# Altium PCB A8_multiple.PcbDoc (part 5 of 10) (continued)
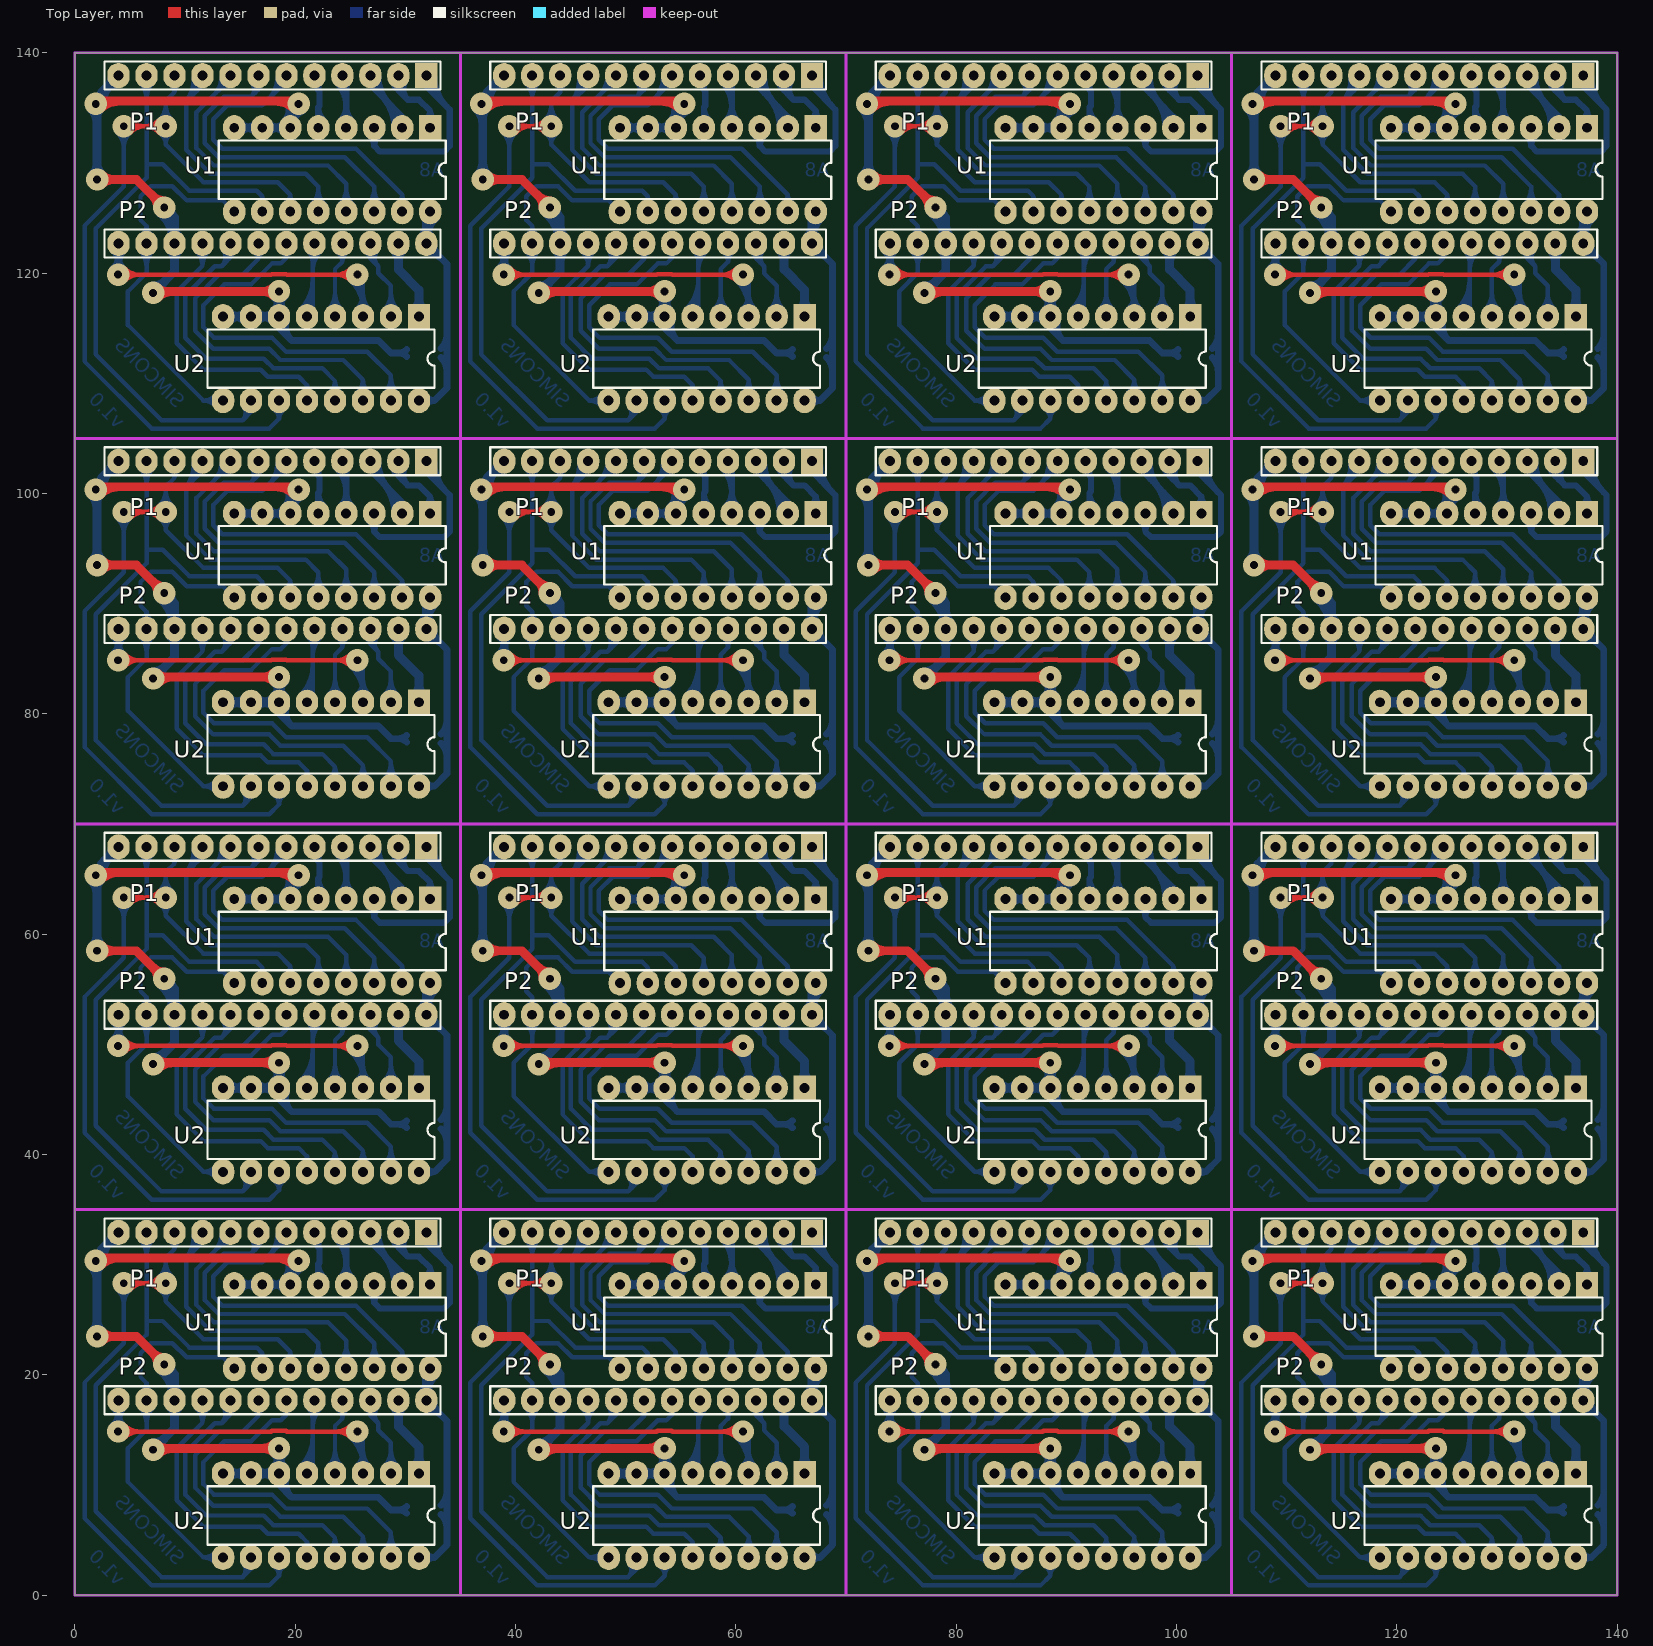
[diagram p0: Top Layer view]
## Nets (pads, with @x,y where several pads share a name; then routed paths per layer and width w, separated by ;. In a path a pad name is that pad's centre, name@x,y a point inside that pad or via, vN(x,y) a via of type N, cw(c..) or ccw(c..) an arc to the next point about the centre after c; other vN are vias at no path point) (continued)
; 88.503,63.115 ccw(c88.326,63.778) 88.92,63.435 ; 88.503,63.273 cw(c88.326,62.61) 88.92,62.953 ; 88.503,98.115 ccw(c88.326,98.778) 88.92,98.435 ; 88.503,98.273 cw(c88.326,97.61) 88.92,97.953 ; 88.503,133.115 ccw(c88.326,133.778) 88.92,133.435 ; 88.503,133.273 cw(c88.326,132.609) 88.92,132.953 ; 89.037,27.673 ccw(c87.78,26.416) 87.78,28.194 ccw(c87.78,29.972) 89.037,28.715 ; 89.037,62.673 ccw(c87.78,61.416) 87.78,63.194 ccw(c87.78,64.972) 89.037,63.715 ; 89.037,97.673 ccw(c87.78,96.416) 87.78,98.194 ccw(c87.78,99.972) 89.037,98.715 ; 89.037,132.673 ccw(c87.78,131.416) 87.78,133.194 ccw(c87.78,134.972) 89.037,133.715 ; 91.688,32.07 cw(c91.647,31.621) 92.098,31.621 ; 91.688,67.07 cw(c91.647,66.621) 92.098,66.621 ; 91.688,102.07 cw(c91.647,101.621) 92.098,101.621 ; 91.688,137.07 cw(c91.647,136.621) 92.098,136.621 ; 92.098,28.194 92.098,30.05 ; 92.098,32.588 92.098,31.672 92.225,31.545 92.225,30.177 92.098,30.05 ; 92.098,63.194 92.098,65.05 ; 92.098,67.588 92.098,66.672 92.225,66.545 92.225,65.177 92.098,65.05 ; 92.098,98.194 92.098,100.05 ; 92.098,102.588 92.098,101.672 92.225,101.545 92.225,100.177 92.098,100.05 ; 92.098,133.194 92.098,135.05 ; 92.098,137.588 92.098,136.672 92.225,136.545 92.225,135.177 92.098,135.05 ; 92.608,28.852 cw(c93.759,30.05) 92.098,30.05 ; 92.608,63.852 cw(c93.759,65.05) 92.098,65.05 ; 92.608,98.852 cw(c93.759,100.05) 92.098,100.05 ; 92.608,133.852 cw(c93.759,135.05) 92.098,135.05 ; 93.774,32.283 cw(c91.689,30.198) 94.638,30.198 ; 93.774,67.283 cw(c91.689,65.198) 94.638,65.198 ; 93.774,102.283 cw(c91.689,100.198) 94.638,100.198 ; 93.774,137.283 cw(c91.689,135.198) 94.638,135.198 ; 94.117,28.842 ccw(c92.86,30.099) 94.638,30.099 ccw(c96.416,30.099) 95.159,28.842 ; 94.117,63.842 ccw(c92.86,65.099) 94.638,65.099 ccw(c96.416,65.099) 95.159,63.842 ; 94.117,98.842 ccw(c92.86,100.099) 94.638,100.099 ccw(c96.416,100.099) 95.159,98.842 ; 94.117,133.842 ccw(c92.86,135.099) 94.638,135.099 ccw(c96.416,135.099) 95.159,133.842 ; 94.169,32.678 cw(c93.038,31.547) 94.638,31.547 ; 94.169,67.678 cw(c93.038,66.547) 94.638,66.547 ; 94.169,102.678 cw(c93.038,101.547) 94.638,101.547 ; 94.169,137.678 cw(c93.038,136.547) 94.638,136.547 ; 94.638,28.194 94.638,32.588 ; 94.638,63.194 94.638,67.588 ; 94.638,98.194 94.638,102.588 ; 94.638,133.194 94.638,137.588 ; 96.72,27.49 cw(c95.97,26.543) 97.178,26.543 ; 96.72,62.49 cw(c95.97,61.543) 97.178,61.543 ; 96.72,97.49 cw(c95.97,96.543) 97.178,96.543 ; 96.72,132.49 cw(c95.97,131.543) 97.178,131.543 ; 96.835,32.931 96.835,32.093 99.718,29.21 99.718,28.194 ; 96.835,67.931 96.835,67.093 99.718,64.21 99.718,63.194 ; 96.835,102.931 96.835,102.093 99.718,99.21 99.718,98.194 ; 96.835,137.931 96.835,137.093 99.718,134.21 99.718,133.194 ; 97.013,32.804 ccw(c99.159,32.804) 97.641,31.287 ; 97.013,67.804 ccw(c99.159,67.804) 97.641,66.287 ; 97.013,102.804 ccw(c99.159,102.804) 97.641,101.287 ; 97.013,137.804 ccw(c99.159,137.804) 97.641,136.287 ; 97.178,28.194 97.178,26.543 ; 97.178,63.194 97.178,61.543 ; 97.178,98.194 97.178,96.543 ; 97.178,133.194 97.178,131.543 ; 97.572,32.804 ccw(c101.066,32.804) 98.595,30.333 ; 97.572,67.804 ccw(c101.066,67.804) 98.595,65.333 ; 97.572,102.804 ccw(c101.066,102.804) 98.595,100.333 ; 97.572,137.804 ccw(c101.066,137.804) 98.595,135.333 ; 97.636,27.49 ccw(c98.386,26.543) 97.178,26.543 ; 97.636,62.49 ccw(c98.386,61.543) 97.178,61.543 ; 97.636,97.49 ccw(c98.386,96.543) 97.178,96.543 ; 97.636,132.49 ccw(c98.386,131.543) 97.178,131.543 ; 97.832,31.096 cw(c95.057,28.321) 98.981,28.321 ; 97.832,66.096 cw(c95.057,63.321) 98.981,63.321 ; 97.832,101.096 cw(c95.057,98.321) 98.981,98.321 ; 97.832,136.096 cw(c95.057,133.321) 98.981,133.321 ; 98.786,30.142 cw(c96.965,28.321) 99.54,28.321 ; 98.786,65.142 cw(c96.965,63.321) 99.54,63.321 ; 98.786,100.142 cw(c96.965,98.321) 99.54,98.321 ; 98.786,135.142 cw(c96.965,133.321) 99.54,133.321 ; 99.032,32.152 cw(c98.735,31.585) 99.375,31.585 ; 99.032,67.152 cw(c98.735,66.585) 99.375,66.585 ; 99.032,102.152 cw(c98.735,101.585) 99.375,101.585 ; 99.032,137.152 cw(c98.735,136.585) 99.375,136.585 ; 99.047,32.997 ccw(c99.928,32.478) 99.205,31.755 ; 99.047,67.997 ccw(c99.928,67.478) 99.205,66.755 ; 99.047,102.997 ccw(c99.928,102.478) 99.205,101.755 ; 99.047,137.997 ccw(c99.928,137.478) 99.205,136.755 ; 99.375,32.931 99.375,31.585 ; 99.375,67.931 99.375,66.585 ; 99.375,102.931 99.375,101.585 ; 99.375,137.931 99.375,136.585 ; 99.528,32.714 ccw(c100.571,32.1) 99.715,31.245 ; 99.528,67.714 ccw(c100.571,67.1) 99.715,66.245 ; 99.528,102.714 ccw(c100.571,102.1) 99.715,101.245 ; 99.528,137.714 ccw(c100.571,137.1) 99.715,136.245 ; 99.718,32.152 ccw(c100.015,31.585) 99.375,31.585 ; 99.718,67.152 ccw(c100.015,66.585) 99.375,66.585 ; 99.718,102.152 ccw(c100.015,101.585) 99.375,101.585 ; 99.718,137.152 ccw(c100.015,136.585) 99.375,136.585 ; 100.01,32.43 ccw(c101.214,31.722) 100.226,30.734 ; 100.01,67.43 ccw(c101.214,66.722) 100.226,65.734 ; 100.01,102.43 ccw(c101.214,101.722) 100.226,100.734 ; 100.01,137.43 ccw(c101.214,136.722) 100.226,135.734 ; 101.842,28.929 ccw(c101.302,29.718) 102.258,29.718 ; 101.842,63.929 ccw(c101.302,64.718) 102.258,64.718 ; 101.842,98.929 ccw(c101.302,99.718) 102.258,99.718 ; 101.842,133.929 ccw(c101.302,134.718) 102.258,134.718 ; 101.915,32.931 101.915,31.966 104.036,29.845 104.036,26.543 103.528,26.035 97.686,26.035 97.178,26.543 ; 101.915,67.931 101.915,66.966 104.036,64.845 104.036,61.543 103.528,61.035 97.686,61.035 97.178,61.543 ; 101.915,102.931 101.915,101.966 104.036,99.845 104.036,96.543 103.528,96.035 97.686,96.035 97.178,96.543 ; 101.915,137.931 101.915,136.966 104.036,134.845 104.036,131.543 103.528,131.035 97.686,131.035 97.178,131.543 ; 102.093,32.804 ccw(c104.545,32.804) 102.811,31.07 ; 102.093,67.804 ccw(c104.545,67.804) 102.811,66.07 ; 102.093,102.804 ccw(c104.545,102.804) 102.811,101.07 ; 102.093,137.804 ccw(c104.545,137.804) 102.811,136.07 ; 102.258,28.194 102.258,29.718 ; 102.258,63.194 102.258,64.718 ; 102.258,98.194 102.258,99.718 ; 102.258,133.194 102.258,134.718 ; 102.652,32.804 ccw(c106.453,32.804) 103.765,30.116 ; 102.652,67.804 ccw(c106.453,67.804) 103.765,65.116 ; 102.652,102.804 ccw(c106.453,102.804) 103.765,100.116 ; 102.652,137.804 ccw(c106.453,137.804) 103.765,135.116 ; 102.674,28.929 cw(c103.214,29.718) 102.258,29.718 ; 102.674,63.929 cw(c103.214,64.718) 102.258,64.718 ; 102.674,98.929 cw(c103.214,99.718) 102.258,99.718 ; 102.674,133.929 cw(c103.214,134.718) 102.258,134.718 ; 119.478,28.194 122.018,28.194 124.558,28.194 ; 119.478,63.194 122.018,63.194 124.558,63.194 ; 119.478,98.194 122.018,98.194 124.558,98.194 ; 119.478,133.194 122.018,133.194 124.558,133.194 ; 119.999,27.673 cw(c121.256,26.416) 121.256,28.194 cw(c121.256,29.972) 119.999,28.715 ; 119.999,62.673 cw(c121.256,61.416) 121.256,63.194 cw(c121.256,64.972) 119.999,63.715 ; 119.999,97.673 cw(c121.256,96.416) 121.256,98.194 cw(c121.256,99.972) 119.999,98.715 ; 119.999,132.673 cw(c121.256,131.416) 121.256,133.194 cw(c121.256,134.972) 119.999,133.715 ; 120.902,28.099 cw(c120.988,27.778) 121.309,27.868 ; 120.902,28.289 ccw(c120.988,28.61) 121.309,28.52 ; 120.902,63.099 cw(c120.988,62.778) 121.309,62.868 ; 120.902,63.289 ccw(c120.988,63.61) 121.309,63.52 ; 120.902,98.099 cw(c120.988,97.778) 121.309,97.868 ; 120.902,98.289 ccw(c120.988,98.61) 121.309,98.52 ; 120.902,133.099 cw(c120.988,132.778) 121.309,132.868 ; 120.902,133.289 ccw(c120.988,133.61) 121.309,133.52 ; 120.963,28.115 ccw(c120.786,28.778) 121.38,28.435 ; 120.963,28.273 cw(c120.786,27.61) 121.38,27.953 ; 120.963,63.115 ccw(c120.786,63.778) 121.38,63.435 ; 120.963,63.273 cw(c120.786,62.61) 121.38,62.953 ; 120.963,98.115 ccw(c120.786,98.778) 121.38,98.435 ; 120.963,98.273 cw(c120.786,97.61) 121.38,97.953 ; 120.963,133.115 ccw(c120.786,133.778) 121.38,133.435 ; 120.963,133.273 cw(c120.786,132.609) 121.38,132.953 ; 121.497,27.673 ccw(c120.24,26.416) 120.24,28.194 ccw(c120.24,29.972) 121.497,28.715 ; 121.497,62.673 ccw(c120.24,61.416) 120.24,63.194 ccw(c120.24,64.972) 121.497,63.715 ; 121.497,97.673 ccw(c120.24,96.416) 120.24,98.194 ccw(c120.24,99.972) 121.497,98.715 ; 121.497,132.673 ccw(c120.24,131.416) 120.24,133.194 ccw(c120.24,134.972) 121.497,133.715 ; 122.539,27.673 cw(c123.796,26.416) 123.796,28.194 cw(c123.796,29.972) 122.539,28.715 ; 122.539,62.673 cw(c123.796,61.416) 123.796,63.194 cw(c123.796,64.972) 122.539,63.715 ; 122.539,97.673 cw(c123.796,96.416) 123.796,98.194 cw(c123.796,99.972) 122.539,98.715 ; 122.539,132.673 cw(c123.796,131.416) 123.796,133.194 cw(c123.796,134.972) 122.539,133.715 ; 123.442,28.099 cw(c123.528,27.778) 123.849,27.868 ; 123.442,28.289 ccw(c123.528,28.61) 123.849,28.52 ; 123.442,63.099 cw(c123.528,62.778) 123.849,62.868 ; 123.442,63.289 ccw(c123.528,63.61) 123.849,63.52 ; 123.442,98.099 cw(c123.528,97.778) 123.849,97.868 ; 123.442,98.289 ccw(c123.528,98.61) 123.849,98.52 ; 123.442,133.099 cw(c123.528,132.778) 123.849,132.868 ; 123.442,133.289 ccw(c123.528,133.61) 123.849,133.52 ; 123.503,28.115 ccw(c123.326,28.778) 123.92,28.435 ; 123.503,28.273 cw(c123.326,27.61) 123.92,27.953 ; 123.503,63.115 ccw(c123.326,63.778) 123.92,63.435 ; 123.503,63.273 cw(c123.326,62.61) 123.92,62.953 ; 123.503,98.115 ccw(c123.326,98.778) 123.92,98.435 ; 123.503,98.273 cw(c123.326,97.61) 123.92,97.953 ; 123.503,133.115 ccw(c123.326,133.778) 123.92,133.435 ; 123.503,133.273 cw(c123.326,132.609) 123.92,132.953 ; 124.037,27.673 ccw(c122.78,26.416) 122.78,28.194 ccw(c122.78,29.972) 124.037,28.715 ; 124.037,62.673 ccw(c122.78,61.416) 122.78,63.194 ccw(c122.78,64.972) 124.037,63.715 ; 124.037,97.673 ccw(c122.78,96.416) 122.78,98.194 ccw(c122.78,99.972) 124.037,98.715 ; 124.037,132.673 ccw(c122.78,131.416) 122.78,133.194 ccw(c122.78,134.972) 124.037,133.715 ; 126.688,32.07 cw(c126.647,31.621) 127.098,31.621 ; 126.688,67.07 cw(c126.647,66.621) 127.098,66.621 ; 126.688,102.07 cw(c126.647,101.621) 127.098,101.621 ; 126.688,137.07 cw(c126.647,136.621) 127.098,136.621 ; 127.098,28.194 127.098,30.05 ; 127.098,32.588 127.098,31.672 127.225,31.545 127.225,30.177 127.098,30.05 ; 127.098,63.194 127.098,65.05 ; 127.098,67.588 127.098,66.672 127.225,66.545 127.225,65.177 127.098,65.05 ; 127.098,98.194 127.098,100.05 ; 127.098,102.588 127.098,101.672 127.225,101.545 127.225,100.177 127.098,100.05 ; 127.098,133.194 127.098,135.05 ; 127.098,137.588 127.098,136.672 127.225,136.545 127.225,135.177 127.098,135.05 ; 127.608,28.852 cw(c128.759,30.05) 127.098,30.05 ; 127.608,63.852 cw(c128.759,65.05) 127.098,65.05 ; 127.608,98.852 cw(c128.759,100.05) 127.098,100.05 ; 127.608,133.852 cw(c128.759,135.05) 127.098,135.05 ; 128.774,32.283 cw(c126.689,30.198) 129.638,30.198 ; 128.774,67.283 cw(c126.689,65.198) 129.638,65.198 ; 128.774,102.283 cw(c126.689,100.198) 129.638,100.198 ; 128.774,137.283 cw(c126.689,135.198) 129.638,135.198 ; 129.117,28.842 ccw(c127.86,30.099) 129.638,30.099 ccw(c131.416,30.099) 130.159,28.842 ; 129.117,63.842 ccw(c127.86,65.099) 129.638,65.099 ccw(c131.416,65.099) 130.159,63.842 ; 129.117,98.842 ccw(c127.86,100.099) 129.638,100.099 ccw(c131.416,100.099) 130.159,98.842 ; 129.117,133.842 ccw(c127.86,135.099) 129.638,135.099 ccw(c131.416,135.099) 130.159,133.842 ; 129.169,32.678 cw(c128.038,31.547) 129.638,31.547 ; 129.169,67.678 cw(c128.038,66.547) 129.638,66.547 ; 129.169,102.678 cw(c128.038,101.547) 129.638,101.547 ; 129.169,137.678 cw(c128.038,136.547) 129.638,136.547 ; 129.638,28.194 129.638,32.588 ; 129.638,63.194 129.638,67.588 ; 129.638,98.194 129.638,102.588 ; 129.638,133.194 129.638,137.588 ; 131.72,27.49 cw(c130.97,26.543) 132.178,26.543 ; 131.72,62.49 cw(c130.97,61.543) 132.178,61.543 ; 131.72,97.49 cw(c130.97,96.543) 132.178,96.543 ; 131.72,132.49 cw(c130.97,131.543) 132.178,131.543 ; 131.835,32.931 131.835,32.093 134.718,29.21 134.718,28.194 ; 131.835,67.931 131.835,67.093 134.718,64.21 134.718,63.194 ; 131.835,102.931 131.835,102.093 134.718,99.21 134.718,98.194 ; 131.835,137.931 131.835,137.093 134.718,134.21 134.718,133.194 ; 132.013,32.804 ccw(c134.159,32.804) 132.641,31.287 ; 132.013,67.804 ccw(c134.159,67.804) 132.641,66.287 ; 132.013,102.804 ccw(c134.159,102.804) 132.641,101.287 ; 132.013,137.804 ccw(c134.159,137.804) 132.641,136.287 ; 132.178,28.194 132.178,26.543 ; 132.178,63.194 132.178,61.543 ; 132.178,98.194 132.178,96.543 ; 132.178,133.194 132.178,131.543 ; 132.572,32.804 ccw(c136.066,32.804) 133.595,30.333 ; 132.572,67.804 ccw(c136.066,67.804) 133.595,65.333 ; 132.572,102.804 ccw(c136.066,102.804) 133.595,100.333 ; 132.572,137.804 ccw(c136.066,137.804) 133.595,135.333 ; 132.636,27.49 ccw(c133.386,26.543) 132.178,26.543 ; 132.636,62.49 ccw(c133.386,61.543) 132.178,61.543 ; 132.636,97.49 ccw(c133.386,96.543) 132.178,96.543 ; 132.636,132.49 ccw(c133.386,131.543) 132.178,131.543 ; 132.832,31.096 cw(c130.057,28.321) 133.981,28.321 ; 132.832,66.096 cw(c130.057,63.321) 133.981,63.321 ; 132.832,101.096 cw(c130.057,98.321) 133.981,98.321 ; 132.832,136.096 cw(c130.057,133.321) 133.981,133.321 ; 133.786,30.142 cw(c131.965,28.321) 134.54,28.321 ; 133.786,65.142 cw(c131.965,63.321) 134.54,63.321 ; 133.786,100.142 cw(c131.965,98.321) 134.54,98.321 ; 133.786,135.142 cw(c131.965,133.321) 134.54,133.321 ; 134.032,32.152 cw(c133.735,31.585) 134.375,31.585 ; 134.032,67.152 cw(c133.735,66.585) 134.375,66.585 ; 134.032,102.152 cw(c133.735,101.585) 134.375,101.585 ; 134.032,137.152 cw(c133.735,136.585) 134.375,136.585 ; 134.047,32.997 ccw(c134.928,32.478) 134.205,31.755 ; 134.047,67.997 ccw(c134.928,67.478) 134.205,66.755 ; 134.047,102.997 ccw(c134.928,102.478) 134.205,101.755 ; 134.047,137.997 ccw(c134.928,137.478) 134.205,136.755 ; 134.375,32.931 134.375,31.585 ; 134.375,67.931 134.375,66.585 ; 134.375,102.931 134.375,101.585 ; 134.375,137.931 134.375,136.585 ; 134.528,32.714 ccw(c135.571,32.1) 134.715,31.245 ; 134.528,67.714 ccw(c135.571,67.1) 134.715,66.245 ; 134.528,102.714 ccw(c135.571,102.1) 134.715,101.245 ; 134.528,137.714 ccw(c135.571,137.1) 134.715,136.245 ; 134.718,32.152 ccw(c135.015,31.585) 134.375,31.585 ; 134.718,67.152 ccw(c135.015,66.585) 134.375,66.585 ; 134.718,102.152 ccw(c135.015,101.585) 134.375,101.585 ; 134.718,137.152 ccw(c135.015,136.585) 134.375,136.585 ; 135.01,32.43 ccw(c136.214,31.722) 135.226,30.734 ; 135.01,67.43 ccw(c136.214,66.722) 135.226,65.734 ; 135.01,102.43 ccw(c136.214,101.722) 135.226,100.734 ; 135.01,137.43 ccw(c136.214,136.722) 135.226,135.734 ; 136.842,28.929 ccw(c136.302,29.718) 137.258,29.718 ; 136.842,63.929 ccw(c136.302,64.718) 137.258,64.718 ; 136.842,98.929 ccw(c136.302,99.718) 137.258,99.718 ; 136.842,133.929 ccw(c136.302,134.718) 137.258,134.718 ; 136.915,32.931 136.915,31.966 139.036,29.845 139.036,26.543 138.528,26.035 132.686,26.035 132.178,26.543 ; 136.915,67.931 136.915,66.966 139.036,64.845 139.036,61.543 138.528,61.035 132.686,61.035 132.178,61.543 ; 136.915,102.931 136.915,101.966 139.036,99.845 139.036,96.543 138.528,96.035 132.686,96.035 132.178,96.543 ; 136.915,137.931 136.915,136.966 139.036,134.845 139.036,131.543 138.528,131.035 132.686,131.035 132.178,131.543 ; 137.093,32.804 ccw(c139.545,32.804) 137.811,31.07 ; 137.093,67.804 ccw(c139.545,67.804) 137.811,66.07 ; 137.093,102.804 ccw(c139.545,102.804) 137.811,101.07 ; 137.093,137.804 ccw(c139.545,137.804) 137.811,136.07 ; 137.258,28.194 137.258,29.718 ; 137.258,63.194 137.258,64.718 ; 137.258,98.194 137.258,99.718 ; 137.258,133.194 137.258,134.718 ; 137.652,32.804 ccw(c141.453,32.804) 138.765,30.116 ; 137.652,67.804 ccw(c141.453,67.804) 138.765,65.116 ; 137.652,102.804 ccw(c141.453,102.804) 138.765,100.116 ; 137.652,137.804 ccw(c141.453,137.804) 138.765,135.116 ; 137.674,28.929 cw(c138.214,29.718) 137.258,29.718 ; 137.674,63.929 cw(c138.214,64.718) 137.258,64.718 ; 137.674,98.929 cw(c138.214,99.718) 137.258,99.718 ; 137.674,133.929 cw(c138.214,134.718) 137.258,134.718 ; 29.375,31.585 30.226,30.734 ; 29.375,66.585 30.226,65.734 ; 29.375,101.585 30.226,100.734 ; 29.375,136.585 30.226,135.734 ; 30.226,30.734 31.242,30.734 32.258,29.718 ; 30.226,65.734 31.242,65.734 32.258,64.718 ; 30.226,100.734 31.242,100.734 32.258,99.718 ; 30.226,135.734 31.242,135.734 32.258,134.718 ; 64.375,31.585 65.226,30.734 ; 64.375,66.585 65.226,65.734 ; 64.375,101.585 65.226,100.734 ; 64.375,136.585 65.226,135.734 ; 65.226,30.734 66.242,30.734 67.258,29.718 ; 65.226,65.734 66.242,65.734 67.258,64.718 ; 65.226,100.734 66.242,100.734 67.258,99.718 ; 65.226,135.734 66.242,135.734 67.258,134.718 ; 99.375,31.585 100.226,30.734 ; 99.375,66.585 100.226,65.734 ; 99.375,101.585 100.226,100.734 ; 99.375,136.585 100.226,135.734 ; 100.226,30.734 101.242,30.734 102.258,29.718 ; 100.226,65.734 101.242,65.734 102.258,64.718 ; 100.226,100.734 101.242,100.734 102.258,99.718 ; 100.226,135.734 101.242,135.734 102.258,134.718 ; 134.375,31.585 135.226,30.734 ; 134.375,66.585 135.226,65.734 ; 134.375,101.585 135.226,100.734 ; 134.375,136.585 135.226,135.734 ; 135.226,30.734 136.242,30.734 137.258,29.718 ; 135.226,65.734 136.242,65.734 137.258,64.718 ; 135.226,100.734 136.242,100.734 137.258,99.718 ; 135.226,135.734 136.242,135.734 137.258,134.718
  Bottom Layer w0.61: 18.542,11.049 18.542,10.033 19.685,8.89 ; 18.542,46.049 18.542,45.033 19.685,43.89 ; 18.542,81.049 18.542,80.033 19.685,78.89 ; 18.542,116.049 18.542,115.033 19.685,113.89 ; 18.639,10.893 ccw(c19.874,10.523) 18.963,9.612 ; 18.639,45.893 ccw(c19.874,45.523) 18.963,44.612 ; 18.639,80.893 ccw(c19.874,80.523) 18.963,79.612 ; 18.639,115.893 ccw(c19.874,115.523) 18.963,114.612 ; 19.223,10.718 ccw(c20.986,10.191) 19.685,8.89 ; 19.223,45.718 ccw(c20.986,45.191) 19.685,43.89 ; 19.223,80.718 ccw(c20.986,80.191) 19.685,78.89 ; 19.223,115.718 ccw(c20.986,115.191) 19.685,113.89 ; 29.972,7.874 29.845,7.747 28.702,7.747 27.559,8.89 19.685,8.89 ; 29.972,42.874 29.845,42.747 28.702,42.747 27.559,43.89 19.685,43.89 ; 29.972,77.874 29.845,77.747 28.702,77.747 27.559,78.89 19.685,78.89 ; 29.972,112.874 29.845,112.747 28.702,112.747 27.559,113.89 19.685,113.89 ; 30.139,7.432 ccw(c29.379,6.672) 29.379,7.747 ccw(c29.379,8.822) 30.139,8.062 ; 30.139,42.432 ccw(c29.379,41.672) 29.379,42.747 ccw(c29.379,43.822) 30.139,43.062 ; 30.139,77.432 ccw(c29.379,76.672) 29.379,77.747 ccw(c29.379,78.822) 30.139,78.062 ; 30.139,112.432 ccw(c29.379,111.672) 29.379,112.747 ccw(c29.379,113.822) 30.139,113.062 ; 31.242,3.429 32.639,3.429 ; 31.242,38.429 32.639,38.429 ; 31.242,73.429 32.639,73.429 ; 31.242,108.429 32.639,108.429 ; 31.817,3.011 cw(c32.639,2.413) 32.639,3.429 ; 31.817,3.847 ccw(c32.639,4.445) 32.639,3.429 ; 31.817,38.011 cw(c32.639,37.413) 32.639,38.429 ; 31.817,38.847 ccw(c32.639,39.445) 32.639,38.429 ; 31.817,73.011 cw(c32.639,72.413) 32.639,73.429 ; 31.817,73.847 ccw(c32.639,74.445) 32.639,73.429 ; 31.817,108.011 cw(c32.639,107.413) 32.639,108.429 ; 31.817,108.847 ccw(c32.639,109.445) 32.639,108.429 ; 31.915,16.853 cw(c31.915,14.829) 33.346,16.26 ; 31.915,17.691 33.782,15.824 33.782,4.572 32.639,3.429 ; 31.915,51.853 cw(c31.915,49.829) 33.346,51.26 ; 31.915,52.691 33.782,50.824 33.782,39.572 32.639,38.429 ; 31.915,86.853 cw(c31.915,84.829) 33.346,86.26 ; 31.915,87.691 33.782,85.824 33.782,74.572 32.639,73.429 ; 31.915,121.853 cw(c31.915,119.829) 33.346,121.26 ; 31.915,122.691 33.782,120.824 33.782,109.572 32.639,108.429 ; 32.626,17.564 ccw(c34.037,17.564) 33.039,16.567 ; 32.626,52.564 ccw(c34.037,52.564) 33.039,51.567 ; 32.626,87.564 ccw(c34.037,87.564) 33.039,86.567 ; 32.626,122.564 ccw(c34.037,122.564) 33.039,121.567 ; 33.239,7.332 cw(c31.929,6.022) 33.782,6.022 ; 33.239,8.162 ccw(c31.929,9.472) 33.782,9.472 ; 33.239,42.332 cw(c31.929,41.022) 33.782,41.022 ; 33.239,43.162 ccw(c31.929,44.472) 33.782,44.472 ; 33.239,77.332 cw(c31.929,76.022) 33.782,76.022 ; 33.239,78.162 ccw(c31.929,79.472) 33.782,79.472 ; 33.239,112.332 cw(c31.929,111.022) 33.782,111.022 ; 33.239,113.162 ccw(c31.929,114.472) 33.782,114.472 ; 53.542,11.049 53.542,10.033 54.685,8.89 ; 53.542,46.049 53.542,45.033 54.685,43.89 ; 53.542,81.049 53.542,80.033 54.685,78.89 ; 53.542,116.049 53.542,115.033 54.685,113.89 ; 53.639,10.893 ccw(c54.874,10.523) 53.963,9.612 ; 53.639,45.893 ccw(c54.874,45.523) 53.963,44.612 ; 53.639,80.893 ccw(c54.874,80.523) 53.963,79.612 ; 53.639,115.893 ccw(c54.874,115.523) 53.963,114.612 ; 54.223,10.718 ccw(c55.986,10.191) 54.685,8.89 ; 54.223,45.718 ccw(c55.986,45.191) 54.685,43.89 ; 54.223,80.718 ccw(c55.986,80.191) 54.685,78.89 ; 54.223,115.718 ccw(c55.986,115.191) 54.685,113.89 ; 64.972,7.874 64.845,7.747 63.702,7.747 62.559,8.89 54.685,8.89 ; 64.972,42.874 64.845,42.747 63.702,42.747 62.559,43.89 54.685,43.89 ; 64.972,77.874 64.845,77.747 63.702,77.747 62.559,78.89 54.685,78.89 ; 64.972,112.874 64.845,112.747 63.702,112.747 62.559,113.89 54.685,113.89 ; 65.139,7.432 ccw(c64.379,6.672) 64.379,7.747 ccw(c64.379,8.822) 65.139,8.062 ; 65.139,42.432 ccw(c64.379,41.672) 64.379,42.747 ccw(c64.379,43.822) 65.139,43.062 ; 65.139,77.432 ccw(c64.379,76.672) 64.379,77.747 ccw(c64.379,78.822) 65.139,78.062 ; 65.139,112.432 ccw(c64.379,111.672) 64.379,112.747 ccw(c64.379,113.822) 65.139,113.062 ; 66.242,3.429 67.639,3.429 ; 66.242,38.429 67.639,38.429 ; 66.242,73.429 67.639,73.429 ; 66.242,108.429 67.639,108.429 ; 66.817,3.011 cw(c67.639,2.413) 67.639,3.429 ; 66.817,3.847 ccw(c67.639,4.445) 67.639,3.429 ; 66.817,38.011 cw(c67.639,37.413) 67.639,38.429 ; 66.817,38.847 ccw(c67.639,39.445) 67.639,38.429 ; 66.817,73.011 cw(c67.639,72.413) 67.639,73.429 ; 66.817,73.847 ccw(c67.639,74.445) 67.639,73.429 ; 66.817,108.011 cw(c67.639,107.413) 67.639,108.429 ; 66.817,108.847 ccw(c67.639,109.445) 67.639,108.429 ; 66.915,16.853 cw(c66.915,14.829) 68.346,16.26 ; 66.915,17.691 68.782,15.824 68.782,4.572 67.639,3.429 ; 66.915,51.853 cw(c66.915,49.829) 68.346,51.26 ; 66.915,52.691 68.782,50.824 68.782,39.572 67.639,38.429 ; 66.915,86.853 cw(c66.915,84.829) 68.346,86.26 ; 66.915,87.691 68.782,85.824 68.782,74.572 67.639,73.429 ; 66.915,121.853 cw(c66.915,119.829) 68.346,121.26 ; 66.915,122.691 68.782,120.824 68.782,109.572 67.639,108.429 ; 67.626,17.564 ccw(c69.037,17.564) 68.039,16.567 ; 67.626,52.564 ccw(c69.037,52.564) 68.039,51.567 ; 67.626,87.564 ccw(c69.037,87.564) 68.039,86.567 ; 67.626,122.564 ccw(c69.037,122.564) 68.039,121.567 ; 68.239,7.332 cw(c66.929,6.022) 68.782,6.022 ; 68.239,8.162 ccw(c66.929,9.472) 68.782,9.472 ; 68.239,42.332 cw(c66.929,41.022) 68.782,41.022 ; 68.239,43.162 ccw(c66.929,44.472) 68.782,44.472 ; 68.239,77.332 cw(c66.929,76.022) 68.782,76.022 ; 68.239,78.162 ccw(c66.929,79.472) 68.782,79.472 ; 68.239,112.332 cw(c66.929,111.022) 68.782,111.022 ; 68.239,113.162 ccw(c66.929,114.472) 68.782,114.472 ; 88.542,11.049 88.542,10.033 89.685,8.89 ; 88.542,46.049 88.542,45.033 89.685,43.89 ; 88.542,81.049 88.542,80.033 89.685,78.89 ; 88.542,116.049 88.542,115.033 89.685,113.89 ; 88.639,10.893 ccw(c89.874,10.523) 88.963,9.612 ; 88.639,45.893 ccw(c89.874,45.523) 88.963,44.612 ; 88.639,80.893 ccw(c89.874,80.523) 88.963,79.612 ; 88.639,115.893 ccw(c89.874,115.523) 88.963,114.612 ; 89.223,10.718 ccw(c90.986,10.191) 89.685,8.89 ; 89.223,45.718 ccw(c90.986,45.191) 89.685,43.89 ; 89.223,80.718 ccw(c90.986,80.191) 89.685,78.89 ; 89.223,115.718 ccw(c90.986,115.191) 89.685,113.89 ; 99.972,7.874 99.845,7.747 98.702,7.747 97.559,8.89 89.685,8.89 ; 99.972,42.874 99.845,42.747 98.702,42.747 97.559,43.89 89.685,43.89 ; 99.972,77.874 99.845,77.747 98.702,77.747 97.559,78.89 89.685,78.89 ; 99.972,112.874 99.845,112.747 98.702,112.747 97.559,113.89 89.685,113.89 ; 100.139,7.432 ccw(c99.379,6.672) 99.379,7.747 ccw(c99.379,8.822) 100.139,8.062 ; 100.139,42.432 ccw(c99.379,41.672) 99.379,42.747 ccw(c99.379,43.822) 100.139,43.062 ; 100.139,77.432 ccw(c99.379,76.672) 99.379,77.747 ccw(c99.379,78.822) 100.139,78.062 ; 100.139,112.432 ccw(c99.379,111.672) 99.379,112.747 ccw(c99.379,113.822) 100.139,113.062 ; 101.242,3.429 102.639,3.429 ; 101.242,38.429 102.639,38.429 ; 101.242,73.429 102.639,73.429 ; 101.242,108.429 102.639,108.429 ; 101.817,3.011 cw(c102.639,2.413) 102.639,3.429 ; 101.817,3.847 ccw(c102.639,4.445) 102.639,3.429 ; 101.817,38.011 cw(c102.639,37.413) 102.639,38.429 ; 101.817,38.847 ccw(c102.639,39.445) 102.639,38.429 ; 101.817,73.011 cw(c102.639,72.413) 102.639,73.429 ; 101.817,73.847 ccw(c102.639,74.445) 102.639,73.429 ; 101.817,108.011 cw(c102.639,107.413) 102.639,108.429 ; 101.817,108.847 ccw(c102.639,109.445) 102.639,108.429 ; 101.915,16.853 cw(c101.915,14.829) 103.346,16.26 ; 101.915,17.691 103.782,15.824 103.782,4.572 102.639,3.429 ; 101.915,51.853 cw(c101.915,49.829) 103.346,51.26 ; 101.915,52.691 103.782,50.824 103.782,39.572 102.639,38.429 ; 101.915,86.853 cw(c101.915,84.829) 103.346,86.26 ; 101.915,87.691 103.782,85.824 103.782,74.572 102.639,73.429 ; 101.915,121.853 cw(c101.915,119.829) 103.346,121.26 ; 101.915,122.691 103.782,120.824 103.782,109.572 102.639,108.429 ; 102.626,17.564 ccw(c104.037,17.564) 103.039,16.567 ; 102.626,52.564 ccw(c104.037,52.564) 103.039,51.567 ; 102.626,87.564 ccw(c104.037,87.564) 103.039,86.567 ; 102.626,122.564 ccw(c104.037,122.564) 103.039,121.567 ; 103.239,7.332 cw(c101.929,6.022) 103.782,6.022 ; 103.239,8.162 ccw(c101.929,9.472) 103.782,9.472 ; 103.239,42.332 cw(c101.929,41.022) 103.782,41.022 ; 103.239,43.162 ccw(c101.929,44.472) 103.782,44.472 ; 103.239,77.332 cw(c101.929,76.022) 103.782,76.022 ; 103.239,78.162 ccw(c101.929,79.472) 103.782,79.472 ; 103.239,112.332 cw(c101.929,111.022) 103.782,111.022 ; 103.239,113.162 ccw(c101.929,114.472) 103.782,114.472 ; 123.542,11.049 123.542,10.033 124.685,8.89 ; 123.542,46.049 123.542,45.033 124.685,43.89 ; 123.542,81.049 123.542,80.033 124.685,78.89 ; 123.542,116.049 123.542,115.033 124.685,113.89 ; 123.639,10.893 ccw(c124.874,10.523) 123.963,9.612 ; 123.639,45.893 ccw(c124.874,45.523) 123.963,44.612 ; 123.639,80.893 ccw(c124.874,80.523) 123.963,79.612 ; 123.639,115.893 ccw(c124.874,115.523) 123.963,114.612 ; 124.223,10.718 ccw(c125.986,10.191) 124.685,8.89 ; 124.223,45.718 ccw(c125.986,45.191) 124.685,43.89 ; 124.223,80.718 ccw(c125.986,80.191) 124.685,78.89 ; 124.223,115.718 ccw(c125.986,115.191) 124.685,113.89 ; 134.972,7.874 134.845,7.747 133.702,7.747 132.559,8.89 124.685,8.89 ; 134.972,42.874 134.845,42.747 133.702,42.747 132.559,43.89 124.685,43.89 ; 134.972,77.874 134.845,77.747 133.702,77.747 132.559,78.89 124.685,78.89 ; 134.972,112.874 134.845,112.747 133.702,112.747 132.559,113.89 124.685,113.89 ; 135.139,7.432 ccw(c134.379,6.672) 134.379,7.747 ccw(c134.379,8.822) 135.139,8.062 ; 135.139,42.432 ccw(c134.379,41.672) 134.379,42.747 ccw(c134.379,43.822) 135.139,43.062 ; 135.139,77.432 ccw(c134.379,76.672) 134.379,77.747 ccw(c134.379,78.822) 135.139,78.062 ; 135.139,112.432 ccw(c134.379,111.672) 134.379,112.747 ccw(c134.379,113.822) 135.139,113.062 ; 136.242,3.429 137.639,3.429 ; 136.242,38.429 137.639,38.429 ; 136.242,73.429 137.639,73.429 ; 136.242,108.429 137.639,108.429 ; 136.817,3.011 cw(c137.639,2.413) 137.639,3.429 ; 136.817,3.847 ccw(c137.639,4.445) 137.639,3.429 ; 136.817,38.011 cw(c137.639,37.413) 137.639,38.429 ; 136.817,38.847 ccw(c137.639,39.445) 137.639,38.429 ; 136.817,73.011 cw(c137.639,72.413) 137.639,73.429 ; 136.817,73.847 ccw(c137.639,74.445) 137.639,73.429 ; 136.817,108.011 cw(c137.639,107.413) 137.639,108.429 ; 136.817,108.847 ccw(c137.639,109.445) 137.639,108.429 ; 136.915,16.853 cw(c136.915,14.829) 138.346,16.26 ; 136.915,17.691 138.782,15.824 138.782,4.572 137.639,3.429 ; 136.915,51.853 cw(c136.915,49.829) 138.346,51.26 ; 136.915,52.691 138.782,50.824 138.782,39.572 137.639,38.429 ; 136.915,86.853 cw(c136.915,84.829) 138.346,86.26 ; 136.915,87.691 138.782,85.824 138.782,74.572 137.639,73.429 ; 136.915,121.853 cw(c136.915,119.829) 138.346,121.26 ; 136.915,122.691 138.782,120.824 138.782,109.572 137.639,108.429 ; 137.626,17.564 ccw(c139.037,17.564) 138.039,16.567 ; 137.626,52.564 ccw(c139.037,52.564) 138.039,51.567 ; 137.626,87.564 ccw(c139.037,87.564) 138.039,86.567 ; 137.626,122.564 ccw(c139.037,122.564) 138.039,121.567 ; 138.239,7.332 cw(c136.929,6.022) 138.782,6.022 ; 138.239,8.162 ccw(c136.929,9.472) 138.782,9.472 ; 138.239,42.332 cw(c136.929,41.022) 138.782,41.022 ; 138.239,43.162 ccw(c136.929,44.472) 138.782,44.472 ; 138.239,77.332 cw(c136.929,76.022) 138.782,76.022 ; 138.239,78.162 ccw(c136.929,79.472) 138.782,79.472 ; 138.239,112.332 cw(c136.929,111.022) 138.782,111.022 ; 138.239,113.162 ccw(c136.929,114.472) 138.782,114.472